# Altium PCB controller_V1.1.PcbDoc (part 1 of 6) (continued)
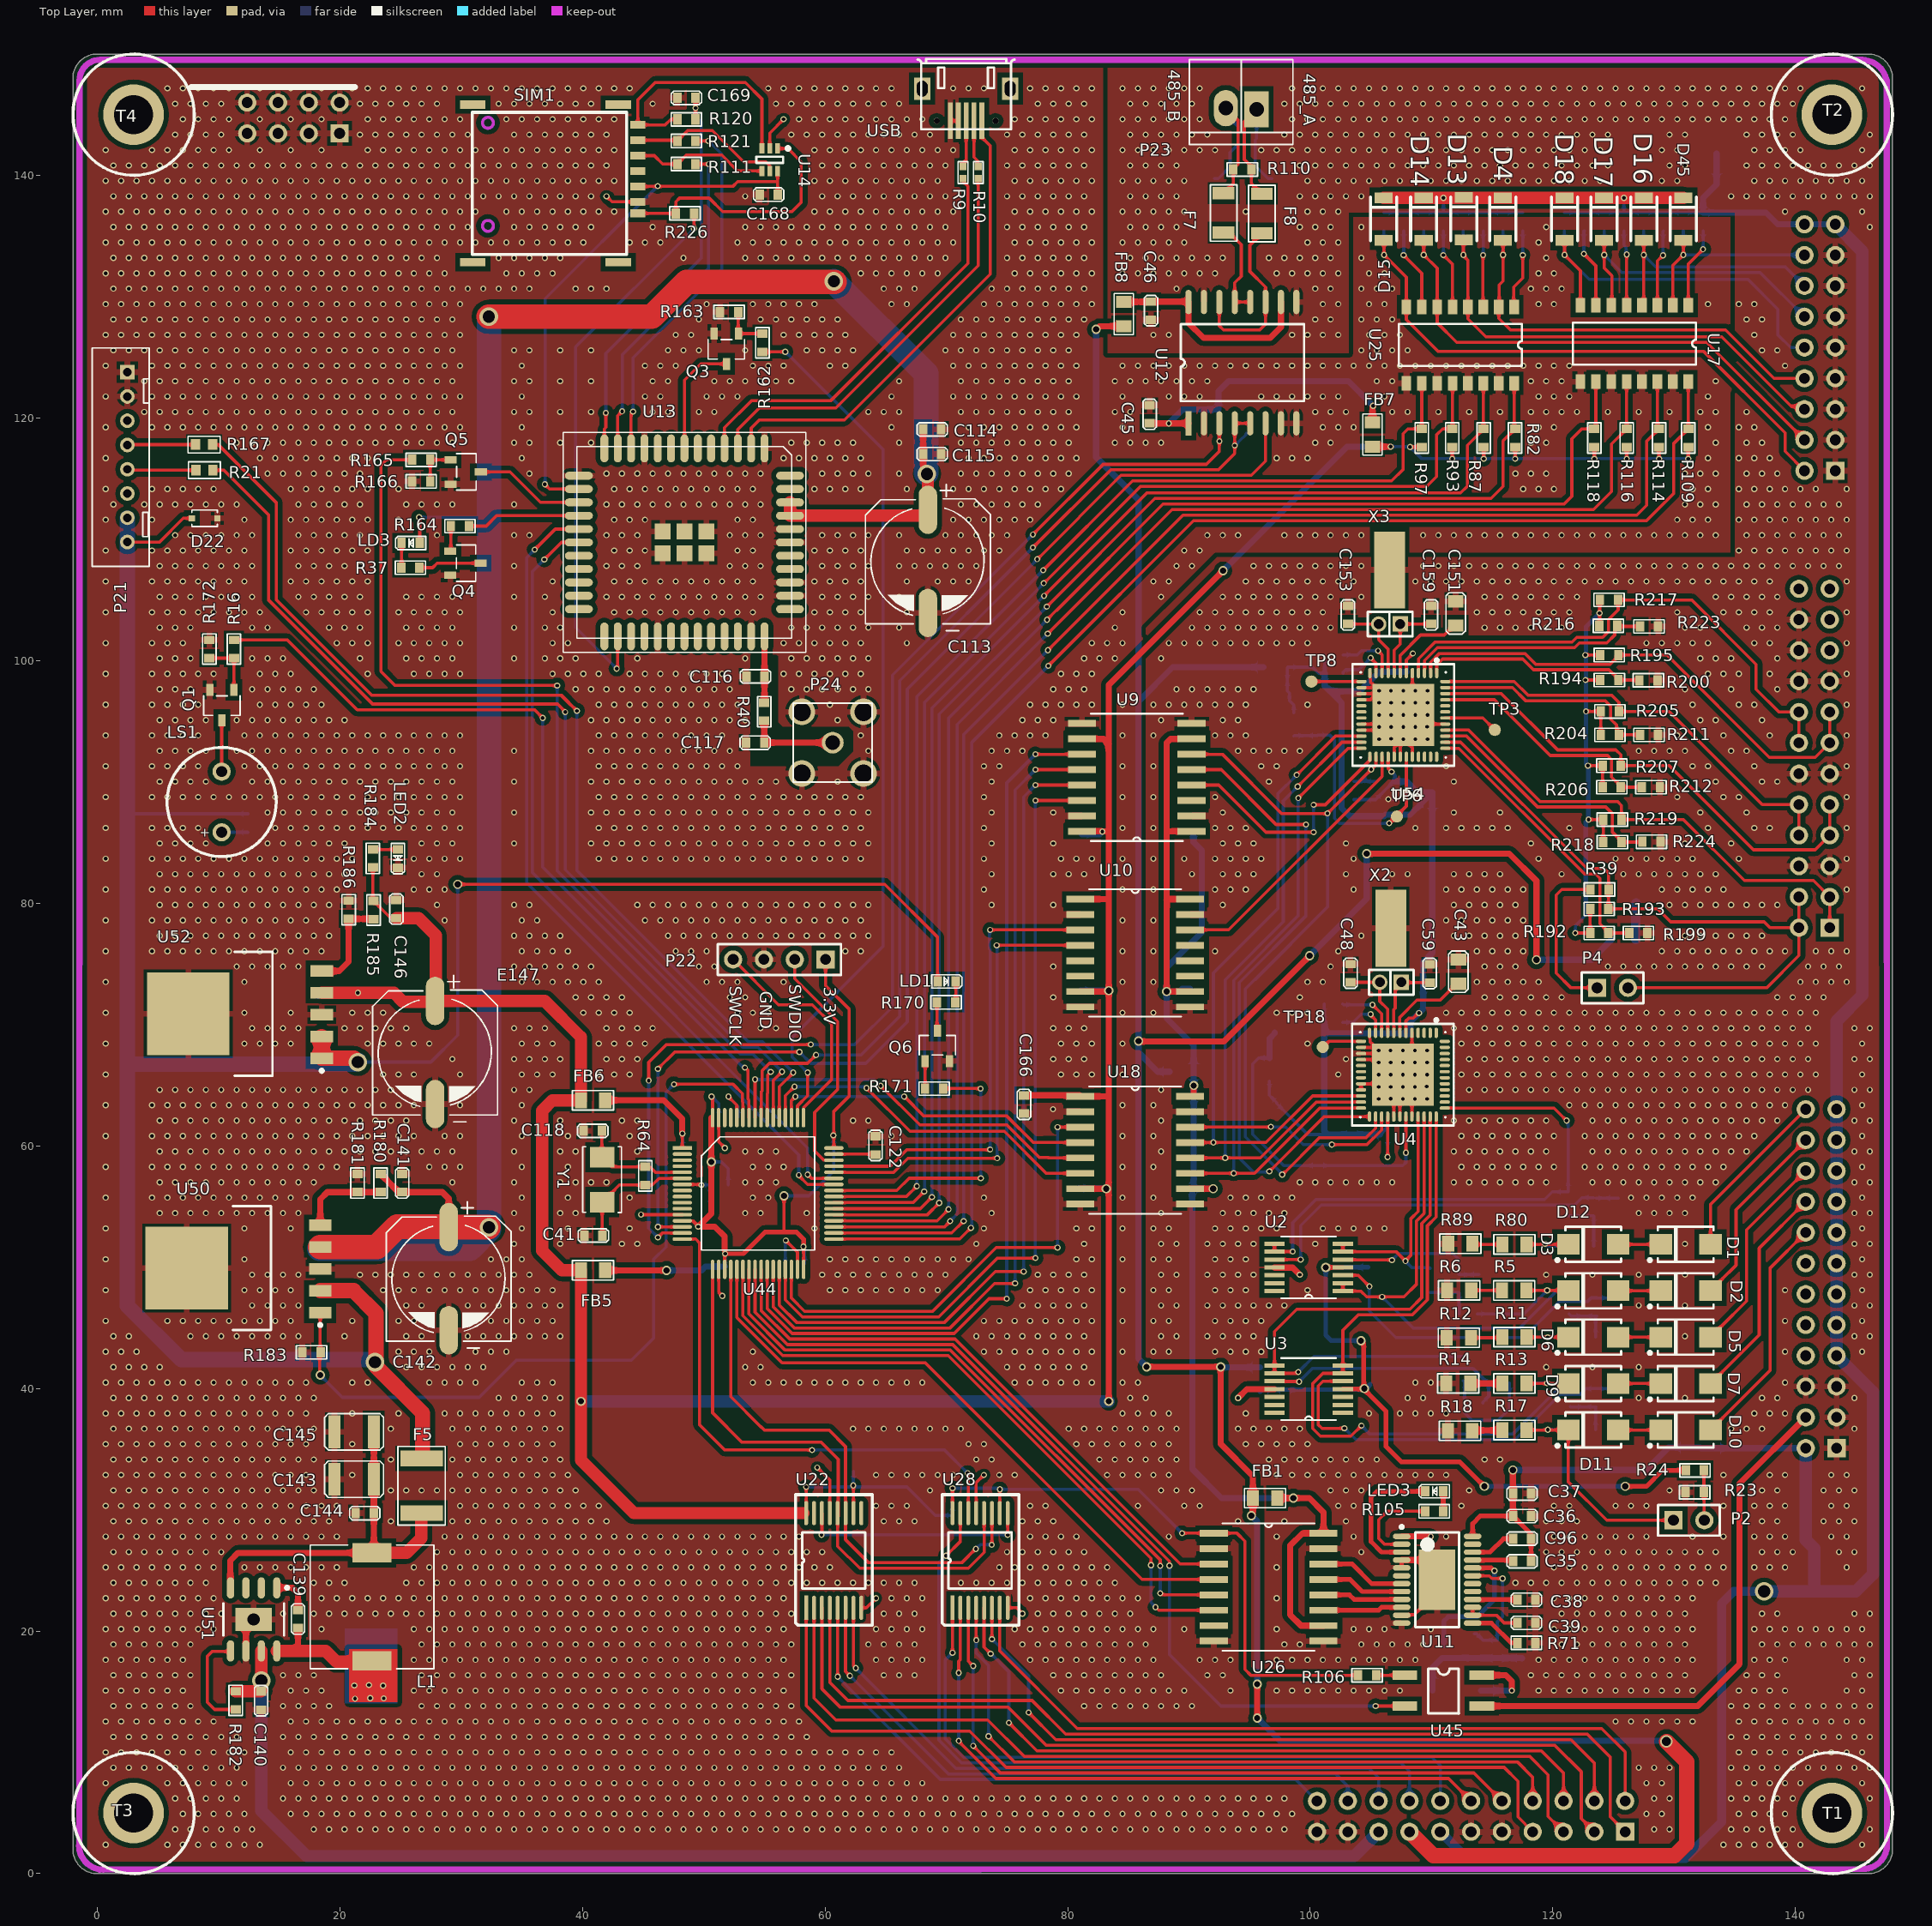
[diagram p0: Top Layer view]
## Components (designator, comment, footprint, x,y, rotation, side; value= is the part's Value field where it differs from the comment) (continued)
R72 "1K" 0603R#1 115.414,19.255 r270 bottom
R73 "5.1K" 0603R#1 101.158,70.18 r0 bottom
R75 "5.1K" 0603R#1 101.194,98.95 r0 bottom
R76 "1K" 0603R#1 95.098,119.202 r90 bottom
R80 "49.9R_1%" 0805R 115.834,51.88 r0 top
R81 "3.3K" 0603R#1 117.526,135.431 r90 bottom
R82 "5.1K" 0603R#1 116.888,117.602 r90 top
R86 "3.3K" 0603R#1 114.253,135.431 r90 bottom
R87 "5.1K" 0603R#1 114.297,117.602 r90 top
R89 "49.9R_1%" 0805R 111.371,51.926 r0 top
R92 "3.3K" 0603R#1 110.98,135.431 r90 bottom
R93 "5.1K" 0603R#1 111.707,117.602 r90 top
R96 "3.3K" 0603R#1 107.707,135.431 r90 bottom
R97 "5.1K" 0603R#1 109.192,117.602 r90 top
R105 "1.5K" 0603R#1 109.469,29.87 r0 top
R106 "510" 0603R#1 105.435,16.358 r180 top
R108 "3.3K" 0603R#1 132.385,135.431 r90 bottom
R109 "5.1K" 0603R#1 131.163,117.602 r90 top
R110 "120" 0603R#1 93.647,140.487 r0 top
R111 "10R/5%" 0603r 47.824,140.928 r0 top value=10R
R113 "3.3K" 0603R#1 129.119,135.431 r90 bottom
R114 "5.1K" 0603R#1 128.75,117.602 r90 top
R115 "3.3K" 0603R#1 125.853,135.431 r90 bottom
R116 "5.1K" 0603R#1 126.083,117.602 r90 top
R117 "3.3K" 0603R#1 122.588,135.431 r90 bottom
R118 "5.1K" 0603R#1 123.416,117.602 r90 top
R120 "10R/5%" 0603r 47.824,144.611 r0 top value=10R
R121 "10R/5%" 0603r 47.824,142.833 r0 top value=10R
R162 "4.7K" 0603R#1 54.839,125.451 r90 top value=1K
R163 "47K" 0603r 51.341,128.736 r0 top value=1K
R164 "1K" 0603r 30.658,111.089 r180 top
R165 "4.7K" 0603R#1 25.959,116.55 r0 top value=1K
R166 "47K" 0603r 25.959,114.772 r0 top value=1K
R167 "1K" 0603R#2 8.814,117.805 r180 top
R168 "10K" 0603R#1 50.518,56.769 r0 bottom
R170 "1K" 0603r 70.732,71.825 r180 top
R171 "1K" 0603r 69.748,64.719 r180 top
R172 "10K" 0603r 9.246,100.203 r90 top
R180 "120K/1%" 0603R#1 23.365,57.685 r270 top
R181 "51K/1%" 0603R#1 21.46,57.685 r270 top
R182 "100K" 0603R#1 11.422,13.538 r90 top
R183 "100K/1%" 0603R#1 16.914,42.977 r0 top
R184 "1K" 0603R#1 22.727,84.447 r270 top
R185 "120K/1%" 0603R#1 22.781,80.188 r270 top
R186 "71.5K/1%" 0603R#1 20.733,80.213 r270 top
R189 "5.1K" 0603R#1 103.607,88.536 r90 bottom
R190 "1.5K" 0603R#1 101.194,100.474 r0 bottom
R192 "1K" 0603R#1 124.569,77.546 r180 top
R193 "1K" 0603R#1 124.569,79.527 r180 top
R194 "1K" 0603R#1 125.401,98.4 r180 top
R195 "1K" 0603R#1 125.4,100.457 r180 top
R199 "1K" 0603R#1 127.795,77.546 r180 top
R200 "1K" 0603R#1 128.627,98.374 r180 top
R204 "1K" 0603R#1 125.451,93.878 r180 top
R205 "1K" 0603R#1 125.451,95.809 r180 top
R206 "1K" 0603R#1 125.603,89.56 r180 top
R207 "1K" 0603R#1 125.603,91.338 r180 top
R211 "1K" 0603R#1 128.676,93.878 r180 top
R212 "1K" 0603R#1 128.829,89.56 r180 top
R216 "1K" 0603R#1 125.321,102.87 r180 top
R217 "1K" 0603R#1 125.378,105.004 r180 top
R218 "1K" 0603R#1 125.654,85.039 r180 top
R219 "1K" 0603R#1 125.654,86.893 r180 top
R223 "1K" 0603R#1 128.678,102.819 r180 top
R224 "1K" 0603R#1 128.88,85.065 r180 top
R226 "10R/5%/NC" 0603r 47.701,136.864 r0 top value=10R
R227 "10K" 0603R#1 92.431,119.202 r90 bottom
SIM1 "nano sim" "Nano SIM" 44.574,136.864 r270 top
T1 "TP" M3 143,5 r0 top
T2 "TP" M3 143,145 r0 top
T3 "TP" M3 3,5 r0 top
T4 "TP" M3 3,145 r0 top
TP1 "TEST_POINT" TPD 100.635,58.375 r270 bottom
TP3 "TEST_POINT" TPD 115.214,94.285 r180 top
TP6 "TEST_POINT" TPD 107.137,87.147 r180 top
TP8 "TEST_POINT" TPD 100.093,98.271 r180 top
TP18 "TEST_POINT" TPD 101.031,68.148 r90 top
U1 "LT1790-2.5" SOT23-6 97.838,66.294 r180 bottom
U2 "TLV2454IPW" TSSOP14 99.87,49.979 r180 top
U3 "TLV2454IPW" TSSOP14 99.87,39.946 r180 top
U4 "ADS1158" S-PVFQN-N48 107.635,65.862 r270 top
U9 "ISO7241C" SOIC16 85.57,90.119 r180 top
U10 "ISO7241C" SOIC16 85.697,76.149 r0 top
U11 "AD5410AREZ-REEL7" AD5410AREZ-REEL7 110.461,24.232 r0 top
U12 "ISO3080" SO-16 89.964,119.558 r90 top
U13 "AIR780EX" AIR780EX 48.412,109.742 r270 top
U14 "SMF05C" sc70-6l 55.446,141.284 r270 top
U17 "TLP291-4" SOP16-T 131.163,129.286 r270 top
U18 "ISO7241C" SOIC16 85.697,59.893 r0 top
U22 "SN74HC595DBR" SSOP16 58.011,23.368 r90 top
U25 "TLP291-4" SOP16-T 116.812,129.159 r270 top
U26 "ADUM1400" SOIC16 96.694,23.876 r0 top
U28 "SN74HC595DBR" SSOP16 70.076,23.368 r90 top
U44 "STM32F405RGT6" LQFP-64 48.232,59.817 r0 top
U45 "AQY210S" sop4 107.794,16.358 r0 top
U50 "MIC29302" TO228P1435X457-6N 18.387,46.253 r180 top
U51 "LM22676MRE-5.0/NOPB" SOP127P600X168_HS-8N 12.901,20.961 r270 top
U52 "MIC29302" TO228P1435X457-6N 18.514,67.208 r180 top
U54 "ADS1158" S-PVFQN-N48 107.671,95.521 r270 top
U56 "LT1790-2.5" SOT23-6 97.445,94.734 r0 bottom
USB "Header 5" USB-MICRO-5P 68.809,147.142 r0 top
X2 "32768" A 107.508,73.482 r180 top
X3 "32768" A 107.417,103.014 r180 top
Y1 "8MHz" CRAY_5032 41.628,59.055 r270 top

## Footprints (in the part's own frame and the unit in brackets; to place one, negate y for a bottom-side part, rotate by r counter-clockwise, add the part's x,y. Pads: shape width x height; smd on the part's side, far side on the other; paste and mask are expansions set on the pad)
2.0x8 [mm]
  rect 1.2x1.2 hole 0.7: 1(0,0)
  round 1.2 hole 0.7: 2(2,0) 3(4,0) 4(6,0) 5(8,0) 6(10,0) 7(12,0) 8(14,0)
  silkscreen extent -2,-2.9 16,1.8
2X2.54MMZ [mm]
  rect 2x3 hole 1.2: 1(0,0)
  oval 2x3 hole 1.2: 2(2.54,-0.1)
  silkscreen extent -3,-4.1 5.54,2.9
0402R [mm]
  rect 0.6x0.6 smd: 1(0,0) 2(1,0)
  silkscreen extent -0.4,-0.4 1.4,0.4
0603C [mm]
  rect 0.7x0.85 smd: 1(0,0) 2(1.5,0)
  silkscreen extent -0.5,-0.55 2,0.55
0603c [mm]
  rect 0.7x0.85 smd: 1(0,0) 2(1.5,0)
  silkscreen extent -0.5,-0.55 2,0.55
0603led [mm]
  rect 0.7x0.85 smd: 1(0,0) 2(1.5,0)
  silkscreen extent -0.5,-0.55 2,0.55
0603LED [mm]
  rect 0.7x0.85 smd: 1(0,0) 2(1.5,0)
  silkscreen extent -0.5,-0.55 2,0.55
0603R#1 [mm]
  rect 0.7x0.85 smd: 1(0,0) 2(1.5,0)
  silkscreen extent -0.5,-0.55 2,0.55
0603R#2 [mm]
  rect 0.762x0.889 smd: 1(-0.699,0) 2(0.699,0)
  silkscreen extent -1.32,-0.69 1.32,0.69
0603r [mm]
  rect 0.7x0.85 smd: 1(0,0) 2(1.5,0)
  silkscreen extent -0.5,-0.55 2,0.55
0805C [mm]
  rect 1x1.3 smd: 1(0,0) 2(2,0)
  silkscreen extent -0.7,-0.8 2.7,0.8
0805CZ [mm]
  rect 1x1.3 smd: 1(0,0) 2(2,0)
  silkscreen extent -0.7,-0.8 2.7,0.8
0805r [mm]
  rect 1x1.3 smd: 1(0,0) 2(2,0)
  silkscreen extent -0.7,-0.8 2.7,0.8
0805R [mm]
  rect 1x1.3 smd: 1(0,0) 2(2,0)
  silkscreen extent -0.7,-0.8 2.7,0.8
1206R [mm]
  rect 1x1.8 smd: 1(0,0) 2(3.25,0)
  silkscreen extent -0.7,-1.1 3.95,1.1
1210C [mm]
  rect 1x2.7 smd: 1(0,0) 2(3.25,0)
  silkscreen extent -0.8,-1.5 4.05,1.5
1812-F [mm]
  rect 1.3x3.5 smd: 1(0,0) 2(4.5,0)
  silkscreen extent -1,-1.95 5.5,1.95
A [mil]
  round 50 hole 32: 1(70,0)
  rect 50x50 hole 32: 2(0,0)
  rect 100x250 smd: 3(34.37,-175)
  silkscreen extent -40,-40 105,40
AD5410AREZ-REEL7 [mm] "SOP, 24-Leads, Body 7.8x4.4mm (max), Pitch 0.65mm, IPC Medium Density"
  oval 1.45x0.45 smd: 1(-2.925,3.575) 2(-2.925,2.925) 3(-2.925,2.275) 4(-2.925,1.625) 5(-2.925,0.975) 6(-2.925,0.325) 7(-2.925,-0.325) 8(-2.925,-0.975) 9(-2.925,-1.625) 10(-2.925,-2.275) 11(-2.925,-2.925) 12(-2.925,-3.575) 13(2.925,-3.575) 14(2.925,-2.925) 15(2.925,-2.275) 16(2.925,-1.625) 17(2.925,-0.975) 18(2.925,-0.325) 19(2.925,0.325) 20(2.925,0.975) 21(2.925,1.625) 22(2.925,2.275) 23(2.925,2.925) 24(2.925,3.575)
  rect 3x5 smd: 25(0,0)
  silkscreen extent -3.05,-3.9 1.8,4.47, body extent -2.2,-3.9 2.2,3.9, height 2.65
AIR780EX [mm]
  oval 2.3x0.65 smd: 1(-7.75,6.6) 2(-7.75,5.5) 3(-7.75,4.4) 4(-7.75,3.3) 5(-7.75,2.2) 6(-7.75,1.1) 7(-7.75,0) 8(-7.75,-1.1) 9(-7.75,-2.2) 10(-7.75,-3.3) 11(-7.75,-4.4) 12(-7.75,-5.5) 13(-7.75,-6.6) 23(7.75,-6.6) 24(7.75,-5.5) 25(7.75,-4.4) 26(7.75,-3.3) 27(7.75,-2.2) 28(7.75,-1.1) 29(7.75,0) 30(7.75,1.1) 31(7.75,2.2) 32(7.75,3.3) 33(7.75,4.4) 34(7.75,5.5) 35(7.75,6.6)
  oval 0.65x2.3 smd: 14(-4.4,-8.7) 15(-3.3,-8.7) 16(-2.2,-8.7) 17(-1.1,-8.7) 18(0,-8.7) 19(1.1,-8.7) 20(2.2,-8.7) 21(3.3,-8.7) 22(4.4,-8.7) 36(4.4,8.7) 37(3.3,8.7) 38(2.2,8.7) 39(1.1,8.7) 40(0,8.7) 41(-1.1,8.7) 42(-2.2,8.7) 43(-3.3,8.7) 44(-4.4,8.7) 95(-5.5,-8.7) 96(5.5,-8.7) 97(5.5,8.7) 98(-5.5,8.7)
  rect 1.3x1.3 smd: 89(-0.9,1.8) 90(-0.9,0) 91(-0.9,-1.8) 92(0.9,-1.8) 93(0.9,0) 94(0.9,1.8)
  silkscreen extent -9.05,-10 9.05,10
BUFFER_0905 [mm]
  round 1.5 hole 0.9: 1(0,0) 2(5,0)
  silkscreen extent -2,-4.5 7,4.5
C3528 [mil]
  rect 60x100 smd: 1(0,0) 2(135,0)
  silkscreen extent -50,-70 185,70
CDRH105 [mm]
  rect 3.2x1.6 smd: 1(5.1,-0.65) 2(5.1,-9.55)
  silkscreen extent 0,-10.2 10.2,0
CRAY_5032 [mm]
  rect 1.7x2 smd: 1(0,0) 2(3.7,0)
  silkscreen extent -0.86,-1.6 4.55,1.6
DO-213AB/LL34/MiniMELF [mm]
  rect 0.9x1.5 smd: 1(1.75,0) 2(-1.75,0)
  silkscreen extent -1.8,-1.08 1.8,1.08
DO-214AC [mm] "Molded Diode, 2-Leads, Body 4.3x2.7mm, IPC Medium Density"
  rect 1.85x1.7 smd: 1(-2.05,0) 2(2.05,0)
  silkscreen extent -2.3,-1.45 3.07,1.45, body extent -2.3,-1.45 2.3,1.45, height 2.44
HDR1X2 [mm] "Connector; Header; 2 Position"
  rect 1.5x1.5 hole 0.9: 1(0,0)
  round 1.5 hole 0.9: 2(2.54,0)
  silkscreen extent -1.27,-1.27 3.81,1.27
HDR1X4 [mm] "Connector; Header; 4 Position"
  rect 1.5x1.5 hole 0.9: 1(0,0)
  round 1.5 hole 0.9: 2(2.54,0) 3(5.08,0) 4(7.62,0)
  silkscreen extent -1.27,-1.27 8.89,1.27
HDR2X4 [mm] "Connector; Header; 4x2 Position"
  rect 1.5x1.5 hole 0.9: 1(0,0)
  round 1.5 hole 0.9: 2(0,2.54) 3(2.54,0) 4(2.54,2.54) 5(5.08,0) 6(5.08,2.54) 7(7.62,0) 8(7.62,2.54)
  silkscreen extent -1.27,-1.27 8.89,3.81
HDR2X11 [mm] "Connector; Header; 11x2 Position"
  rect 1.5x1.5 hole 0.9: 1(0,0)
  round 1.5 hole 0.9: 2(0,2.54) 3(2.54,0) 4(2.54,2.54) 5(5.08,0) 6(5.08,2.54) 7(7.62,0) 8(7.62,2.54) 9(10.16,0) 10(10.16,2.54) 11(12.7,0) 12(12.7,2.54) 13(15.24,0) 14(15.24,2.54) 15(17.78,0) 16(17.78,2.54) 17(20.32,0) 18(20.32,2.54) 19(22.86,0) 20(22.86,2.54) 21(25.4,0) 22(25.4,2.54)
  silkscreen extent -1.27,-1.27 26.67,3.81
KH-SMA-KE-Z [mm]
  round 1.8 hole 1.2: 1(0,0)
  round 2.2 hole 1.5: 2(-2.54,2.54) 3(2.54,2.54) 4(2.54,-2.54) 5(-2.54,-2.54)
  silkscreen extent -3.25,-3.25 3.25,3.25
LQFP-64 [mm]
  rect 1.6x0.3 smd: 1(0,0)
  oval 1.6x0.3 smd: 2(0,-0.5) 3(0,-1) 4(0,-1.5) 5(0,-2) 6(0,-2.5) 7(0,-3) 8(0,-3.5) 9(0,-4) 10(0,-4.5) 11(0,-5) 12(0,-5.5) 13(0,-6) 14(0,-6.5) 15(0,-7) 16(0,-7.5) 33(12.5,-7.5) 34(12.5,-7) 35(12.5,-6.5) 36(12.5,-6) 37(12.5,-5.5) 38(12.5,-5) 39(12.5,-4.5) 40(12.5,-4) 41(12.5,-3.5) 42(12.5,-3) 43(12.5,-2.5) 44(12.5,-2) 45(12.5,-1.5) 46(12.5,-1) 47(12.5,-0.5) 48(12.5,0)
  oval 0.3x1.6 smd: 17(2.5,-10) 18(3,-10) 19(3.5,-10) 20(4,-10) 21(4.5,-10) 22(5,-10) 23(5.5,-10) 24(6,-10) 25(6.5,-10) 26(7,-10) 27(7.5,-10) 28(8,-10) 29(8.5,-10) 30(9,-10) 31(9.5,-10) 32(10,-10) 49(10,2.5) 50(9.5,2.5) 51(9,2.5) 52(8.5,2.5) 53(8,2.5) 54(7.5,2.5) 55(7,2.5) 56(6.5,2.5) 57(6,2.5) 58(5.5,2.5) 59(5,2.5) 60(4.5,2.5) 61(4,2.5) 62(3.5,2.5) 63(3,2.5) 64(2.5,2.5)
  silkscreen extent 1.59,-8.41 10.91,0.91
M3 [mm]
  round 5 hole 3.2 unplated: 1(0,0)
  silkscreen extent -5,-5 5,5
"Nano SIM" [mm]
  rect 0.7x2.1 smd: 0(-8.97,-1.615) 0(-8.97,-13.615) 0(4.02,-1.615) 0(4.02,-13.615)
  rect 0.65x1.23 smd: 1(-2.22,0) 2(-4.76,0) 3(-7.3,0) 5(-0.95,0) 6(-3.49,0) 7(-6.03,0) 8(0,0)
  Keep-Out Layer circle w0.254: c-7.47,-12.365 r0.45
  Keep-Out Layer circle w0.254: c1.03,-12.365 r0.45
  silkscreen extent -8.33,-13.64 3.38,-0.91
S-PVFQN-N48 [mm]
  oval 0.85x0.28 smd mask+0.07: 1(-3.45,2.75) 2(-3.45,2.25) 3(-3.45,1.75) 4(-3.45,1.25) 5(-3.45,0.75) 6(-3.45,0.25) 7(-3.45,-0.25) 8(-3.45,-0.75) 9(-3.45,-1.25) 10(-3.45,-1.75) 11(-3.45,-2.25) 12(-3.45,-2.75) 25(3.45,-2.75) 26(3.45,-2.25) 27(3.45,-1.75) 28(3.45,-1.25) 29(3.45,-0.75) 30(3.45,-0.25) 31(3.45,0.25) 32(3.45,0.75) 33(3.45,1.25) 34(3.45,1.75) 35(3.45,2.25) 36(3.45,2.75)
  oval 0.28x0.85 smd mask+0.07: 13(-2.75,-3.45) 14(-2.25,-3.45) 15(-1.75,-3.45) 16(-1.25,-3.45) 17(-0.75,-3.45) 18(-0.25,-3.45) 19(0.25,-3.45) 20(0.75,-3.45) 21(1.25,-3.45) 22(1.75,-3.45) 23(2.25,-3.45) 24(2.75,-3.45) 37(2.75,3.45) 38(2.25,3.45) 39(1.75,3.45) 40(1.25,3.45) 41(0.75,3.45) 42(0.25,3.45) 43(-0.25,3.45) 44(-0.75,3.45) 45(-1.25,3.45) 46(-1.75,3.45) 47(-2.25,3.45) 48(-2.75,3.45)
  rect 5.1x5.1 smd: 49(0,0)
  silkscreen extent -4.62,-4.19 4.19,4.19, body extent -3.45,-3.45 3.45,3.45, height 0.9
sc70-6l [mm]
  rect 0.85x0.4 smd: 1(-0.925,0.65) 2(-0.925,0) 3(-0.925,-0.65) 4(0.925,-0.65) 5(0.925,0) 6(0.925,0.65)
  silkscreen extent -1.09,-1.1 0.25,1.65
sma [mm]
  rect 2x2 smd: 1(0,0) 2(4,0)
  silkscreen extent -1.3,-1.5 5.3,1.5
SMA [mm]
  rect 2x2 smd: 1(0,0) 2(4,0)
  silkscreen extent -1.3,-1.5 5.3,1.5
SMB [mm]
  rect 2.2x2.8 smd: 1(0,0) 2(4.5,0)
  silkscreen extent -1.3,-1.8 5.8,1.8
SMC [mm]
  rect 2.5x3.3 smd: 1(0,0) 2(6.75,0)
  silkscreen extent -0.35,-3.25 7.15,3.25
smc [mm]
  rect 2.5x3.3 smd: 1(0,0) 2(6.75,0)
  silkscreen extent -0.35,-3.25 7.15,3.25
SO-16 [mm]
  rect 2x0.5 smd: 1(0,0)
  oval 2x0.5 smd: 2(0,-1.27) 3(0,-2.54) 4(0,-3.81) 5(0,-5.08) 6(0,-6.35) 7(0,-7.62) 8(0,-8.89) 9(10,-8.89) 10(10,-7.62) 11(10,-6.35) 12(10,-5.08) 13(10,-3.81) 14(10,-2.54) 15(10,-1.27) 16(10,0)
  silkscreen extent 1.84,-9.53 8.17,0.64
sod323 [mm]
  rect 0.5x0.5 smd: 1(0,0) 2(2.1,0)
  silkscreen extent 0,-0.67 2.1,0.68
SOIC16 [mil]
  rect 91x22 smd: 1(-183,165) 2(-183,115) 3(-183,65) 4(-183,15) 5(-183,-35) 6(-183,-85) 7(-183,-135) 8(-183,-185) 9(173,-185) 10(173,-135) 11(173,-85) 12(173,-35) 13(173,15) 14(173,65) 15(173,115) 16(173,165)
  silkscreen extent -155,-217 145,197
sop4 [mil]
  rect 80x30 smd: 1(0,0) 2(0,-100) 3(250,-100) 4(249,0)
  silkscreen extent 76,-125 176,21
SOP16-T [mm]
  rect 1.2x0.8 smd: 1(0,0) 2(0,-1.27) 3(0,-2.54) 4(0,-3.81) 5(0,-5.08) 6(0,-6.35) 7(0,-7.62) 8(0,-8.89) 9(6.3,-8.89) 10(6.3,-7.62) 11(6.3,-6.35) 12(6.3,-5.08) 13(6.3,-3.81) 14(6.3,-2.54) 15(6.3,-1.27) 16(6.3,0)
  silkscreen extent 1.41,-9.53 4.89,0.64
SOP127P600X168_HS-8N [mm] "SOP, 8-Leads, Body 5.0x4.0mm (max), Pitch 1.27mm, IPC Medium Density"
  oval 1.75x0.6 smd: 1(-2.6,1.905) 2(-2.6,0.635) 3(-2.6,-0.635) 4(-2.6,-1.905) 5(2.6,-1.905) 6(2.6,-0.635) 7(2.6,0.635) 8(2.6,1.905)
  rect 1.9x3 smd: 9(0,0)
  silkscreen extent -2.72,-2.5 1.33,2.88, body extent -2,-2.5 2,2.5, height 1.68
SOT23-3 [mm]
  rect 1x0.6 smd: 1(0,0) 2(0,2) 3(-2.5,1)
  silkscreen extent -2.1,-0.5 -0.5,2.5
SOT23-6 [mm]
  rect 1.1x0.5 smd: 1(-1.2,0.95)
  oval 1.1x0.5 smd: 2(-1.2,0) 3(-1.2,-0.95) 4(1.2,-0.95) 5(1.2,0) 6(1.2,0.95)
  silkscreen extent -1.32,-1.5 0.25,1.92, body extent -0.87,-1.5 0.88,1.5, height 1.45
SSOP16 [mm] "SOP, 16-Leads, Body 5.1x4.5mm (max), Pitch 0.65mm, IPC Medium Density"
  rect 2x0.32 smd: 1(-1.448,-0.432)
  oval 2x0.32 smd: 2(-1.448,-1.082) 3(-1.448,-1.732) 4(-1.448,-2.382) 5(-1.448,-3.032) 6(-1.448,-3.682) 7(-1.448,-4.332) 8(-1.448,-4.982) 9(6.352,-4.982) 10(6.352,-4.332) 11(6.352,-3.682) 12(6.352,-3.032) 13(6.352,-2.382) 14(6.352,-1.732) 15(6.352,-1.082) 16(6.352,-0.432)
  silkscreen extent -2.88,-5.9 7.87,0.42
TO228P1435X457-6N [mm] "D2-PAK, 6-Pads, Body 8.6x10.2mm (max), IPC Medium Density"
  rect 1.85x0.95 smd: 1(0,0) 2(0,-1.8) 3(0,-3.6) 4(0,-5.4) 5(0,-7.2)
  rect 6.8x6.8 smd: 6(11,-3.671)
  silkscreen extent -0.13,-8.77 7.2,1.43, body extent 4.2,-8.77 12.84,1.43, height 4.57
TPD [mm]
  round 1 smd: 1(0,0)
TSSOP14 [mil]
  rect 66x14 smd: 1(-111,76.77) 2(-111,51.18) 3(-111,25.59) 4(-111,0) 5(-111,-25.59) 6(-111,-51.18) 7(-111,-76.77) 8(111,-76.77) 9(111,-51.18) 10(111,-25.59) 11(111,0) 12(111,25.59) 13(111,51.18) 14(111,76.77)
  silkscreen extent -89,-101 89,101
USB-MICRO-5P [mm]
  round 0.5 hole 0.5 unplated: 0(0.4,-2.65) 0(5.25,-2.65)
  rect 0.4x3 smd: 1(4.125,-2.65) 2(3.475,-2.65) 3(2.825,-2.65) 4(2.175,-2.65) 5(1.525,-2.65)
  rect 1.35x1.85 hole 0.9 slot 1.3 at 90 deg: 6(6.45,0) 7(-0.8,0)
  silkscreen extent -1.17,-3.35 6.83,2.45
XH2.54_2X9 [mm]
  rect 1.5x1.5 hole 0.9: 1(0,0)
  round 1.5 hole 0.9: 2(0,-2.54) 3(2.54,0) 4(2.54,-2.54) 5(5.08,0) 6(5.08,-2.54) 7(7.62,0) 8(7.62,-2.54) 9(10.16,0) 10(10.16,-2.54) 11(12.7,0) 12(12.7,-2.54) 13(15.24,0) 14(15.24,-2.54) 15(17.78,0) 16(17.78,-2.54) 17(20.32,0) 18(20.32,-2.54)
  silkscreen extent -1.75,-6.63 22.07,3.68
XH2.54_2X12 [mm]
  rect 1.5x1.5 hole 0.9: 1(0,0)
  round 1.5 hole 0.9: 2(0,-2.54) 3(2.54,0) 4(2.54,-2.54) 5(5.08,0) 6(5.08,-2.54) 7(7.62,0) 8(7.62,-2.54) 9(10.16,0) 10(10.16,-2.54) 11(12.7,0) 12(12.7,-2.54) 13(15.24,0) 14(15.24,-2.54) 15(17.78,0) 16(17.78,-2.54) 17(20.32,0) 18(20.32,-2.54) 19(22.86,0) 20(22.86,-2.54) 21(25.4,0) 22(25.4,-2.54) 23(27.94,0) 24(27.94,-2.54)
  silkscreen extent -1.75,-6.62 29.69,3.68
XH2.54_2x12 [mm]
  rect 1.5x1.5 hole 0.9: 1(0,0)
  round 1.5 hole 0.9: 2(0,-2.54) 3(2.54,0) 4(2.54,-2.54) 5(5.08,0) 6(5.08,-2.54) 7(7.62,0) 8(7.62,-2.54) 9(10.16,0) 10(10.16,-2.54) 11(12.7,0) 12(12.7,-2.54) 13(15.24,0) 14(15.24,-2.54) 15(17.78,0) 16(17.78,-2.54) 17(20.32,0) 18(20.32,-2.54) 19(22.86,0) 20(22.86,-2.54) 21(25.4,0) 22(25.4,-2.54) 23(27.94,0) 24(27.94,-2.54)
  silkscreen extent -1.75,-6.62 29.69,3.68
Φ10×10 [mm]
  oval 1.524x4 smd: 1(0,4.25) 2(0,-4.25)
  silkscreen extent -5.15,-5.71 5.15,6.35

## Part data
C1 C35 C36 C37 C38 C39 C40 C41 C96 C112 C118 C139 C140 C143 C144 C145 C156: library part CAP, "Capacitor"
C2 C3 C4 C5 C6 C7 C8 C13 C17 C21 C25 C43 C47 C48 C49 C56 C57 C58 C59 C63 C65 C73 C76 C78 C79 C80 C84 C85 C86 C108 C114 C115 C116 C117 C119 C120 C121 C122 C123 C124 C125 C126 C127 C128 C133 C138 C141 C146 C147 C151 C153 C157 C159 C160 C161 C163 C164 C165 C166 C167 C168 C169: library part Cap, "Capacitor", LatestRevisionDate=17-Jul-2002, LatestRevisionNote="Re-released for DXP Platform.", PackageReference=RAD-0.3, Published=8-Jun-2000, Publisher="Altium Limited"
  C2 C3 C4 C5 C6 C7 C8 C13 C17 C21 C25 C43 C47 C48 C49 C56 C57 C58 C59 C63 C65 C73 C76 C78 C79 C80 C84 C85 C86 C108 C114 C115 C116 C117 C119 C120 C121 C122 C123 C124 C125 C126 C127 C128 C133 C138 C141 C146 C147 C151 C153 C157 C159 C160 C161 C163 C164 C165 C166 C167: PackageDescription="Radial Cap, Thru-Hole; 2 Leads; 0.3 in Pin Spacing"
C45 C46: library part C, "C"
C113 C142 E147: library part "Cap Pol1", "Polarized Capacitor (Radial)", LatestRevisionDate=17-Jul-2002, LatestRevisionNote="Re-released for DXP Platform.", PackageReference=RB7.6-15, Published=8-Jun-2000, Publisher="Altium Limited"
D1 D2 D3 D5 D6 D7 D9 D10 D11 D12 D72: library part Diode, "Default Diode", Code_JEDEC=DO-214-AB, LatestRevisionDate=17-Jul-2002, LatestRevisionNote="Re-released for DXP Platform.", PackageReference=SMC, PackageVersion=Sep-1996, Published=8-Jun-2000, Publisher="Altium Limited"
D4 D13 D14 D15 D16 D17 D18 D45: "VISHAY,LL4148,圆柱体MiniMELF100V/2A,ROHS", 制造商=VISHAY, 名称=快速开关二极管, 版本=V1.00, 物料编号=APLLY
D8: library part "Diode 1N4001", "1 Amp General Purpose Rectifier", Code_JEDEC=DO-204-AL, ComponentLink1Description="Manufacturer Link", ComponentLink1URL=http://www.fairchildsemi.com/, ComponentLink2Description=Datasheet, ComponentLink2URL=http://www.fairchildsemi.com/ds/1N%2F1N4001.pdf, DatasheetVersion=1998, LatestRevisionDate=17-Jul-2002, LatestRevisionNote="Re-released for DXP Platform.", PackageReference=DO-41, PackageVersion=Aug-1999, Published=8-Jun-2000, Publisher="Altium Limited"
D22: library part "D Zener", "Zener Diode", LatestRevisionDate=17-Jul-2002, LatestRevisionNote="Re-released for DXP Platform.", PackageReference=DIODE-0.7, Published=8-Jun-2000, Publisher="Altium Limited"
D52 D75 D76: library part "D Zener", "SMBJ36CA", LatestRevisionDate=17-Jul-2002, LatestRevisionNote="Re-released for DXP Platform.", PackageReference=DIODE-0.7, Published=8-Jun-2000, Publisher="Altium Limited"
D69 D70 D71 D78 D79: library part "DIODE S", "Schottky Diode"
E13 E14: library part ELECTRO1, "Electrolytic Capacitor"
F2 F5 F7 F8: library part "Fuse 1", "Fuse", LatestRevisionDate=17-Jul-2002, LatestRevisionNote="Re-released for DXP Platform.", PackageReference=PIN-W2/E2.8, Published=8-Jun-2000, Publisher="Altium Limited"
  F2 F5: PackageDescription="Thru-Hole; 2 Leads"
FB1 FB2 FB3 FB4 FB5 FB6 FB7 FB8: library part FB, FB=BLM18BD102SN1(muRata), Part Field 1="磁珠/0603/1K ohm/100MHz", Text Field1=FB
L1: library part INDUCTOR
LED2: library part LED
LS1: "Loudspeaker", LatestRevisionDate=17-Jul-2002, LatestRevisionNote="Re-released for DXP Platform.", PackageReference=PIN2, Published=24-Mar-1999, Publisher="Altium Limited"
P1 P8: "Header, 12-Pin, Dual row", LatestRevisionDate=17-Jul-2002, LatestRevisionNote="Re-released for DXP Platform.", Publisher="Altium Limited"
P2 P4 P23: "Header, 2-Pin", LatestRevisionDate=17-Jul-2002, LatestRevisionNote="Re-released for DXP Platform.", Publisher="Altium Limited"
P3: "Header, 9-Pin, Dual row", LatestRevisionDate=17-Jul-2002, LatestRevisionNote="Re-released for DXP Platform.", Publisher="Altium Limited"
P5: "Header, 11-Pin, Dual row", LatestRevisionDate=17-Jul-2002, LatestRevisionNote="Re-released for DXP Platform.", Publisher="Altium Limited"
P7: "Header, 4-Pin, Dual row", LatestRevisionDate=17-Jul-2002, LatestRevisionNote="Re-released for DXP Platform.", Publisher="Altium Limited"
P21: "Header, 8-Pin", LatestRevisionDate=17-Jul-2002, LatestRevisionNote="Re-released for DXP Platform.", Publisher="Altium Limited"
P22: "Header, 4-Pin", LatestRevisionDate=17-Jul-2002, LatestRevisionNote="Re-released for DXP Platform.", Publisher="Altium Limited"
P24 USB: "Header, 5-Pin", LatestRevisionDate=17-Jul-2002, LatestRevisionNote="Re-released for DXP Platform.", Publisher="Altium Limited"
Q1 Q3 Q4 Q5 Q6 Q11: library part NPN_MMBT3904
R1 R2 R3 R4 R5 R6 R7 R8 R11 R12 R13 R14 R17 R18 R19 R20 R21 R22 R23 R24 R29 R30 R44 R45 R71 R72 R73 R75 R80 R81 R82 R86 R87 R89 R92 R93 R96 R97 R105 R108 R109 R113 R114 R115 R116 R117 R118 R167 R168 R189 R190: library part Res0805M
R9 R10: library part Resistor, "Resistor SMD - IEC symbol version", LatestRevisionDate="27-Jul-20  -  Semtech"
R15 R16 R37 R40 R64 R162 R163 R164 R165 R166 R170 R171 R172: library part RES0603, ID=233, 制造商=三星/YAGEO, 参数值=1.00E+04, 器件等级=——, 工作温度="–55°C to 155°C", 序号=109, 物料主编码(PN)=150000040, 物料名称=贴片电阻, 物料描述=RES,贴片电阻,0603,10k,±1%,1/10W,1.6X0.8X0.45mm,RC1608F103CS/RC0603FR-0710KL, 物料类型=表贴电阻, 精度=±1%, 规格型号(完整型号)=RC1608F103CS/RC0603FR-0710KL
R39 R76 R110 R180 R181 R183 R184 R185 R186 R192 R193 R194 R195 R199 R200 R204 R205 R206 R207 R211 R212 R216 R217 R218 R219 R223 R224 R227: library part R, "R"
R106: library part RES2
R111 R120 R121 R226: library part Res2, "Resistor", LatestRevisionDate=17-Jul-2002, LatestRevisionNote="Re-released for DXP Platform.", PackageReference=AXIAL-0.4, Published=8-Jun-2000, Publisher="Altium Limited"
R182: library part Res1, "Resistor", LatestRevisionDate=17-Jul-2002, LatestRevisionNote="Re-released for DXP Platform.", PackageReference=AXIAL-0.3, Published=8-Jun-2000, Publisher="Altium Limited"
U1 U56: "2.5V Micropower SOT-23  Low Dropout Reference"
U2 U3: library part MAX908EPD, "Quad High-speed, Ultra Low-power, Single-Supply TTL comparator", Code_JEDEC=MS-001-AC, ComponentLink1Description="Manufacturer Link", ComponentLink1URL=http://www.maxim-ic.com/, ComponentLink2Description=Datasheet, ComponentLink2URL=http://pdfserv.maxim-ic.com/en/ds/MAX907-MAX909.pdf, DatasheetVersion=Jul-1994, LatestRevisionDate=29-May-2009, LatestRevisionNote="Component Body Added.", PackageDescription="DIP, 14-Pin, Row Spacing 7.62 mm, Pitch 2.54 mm", PackageReference=PD14, PackageVersion="RevB, 21-0043", Published=16-Jan-2001, Publisher="Altium Limited"
U4 U54: "16-Channel, 16-Bit Analog-to-Digital Converter"
U17 U25: library part TLP281-4
U22 U28: library part 74HC595
U26: library part ISO7241C
U44: "ARM Cortex-M4 32-bit MCU+FPU, 210 DMIPS, 1024 kB Flash, 192 kB Internal RAM, 51 I/Os, 64-pin LQFP, -40 to 85 degC, Tray", I/Os (High Current)=51, Manufacturer=STMicroelectronics, Operating Frequency(F) (Processor speed) (MHz)=168, Supplier Part Number 1=497-11767-ND, Supply Voltage(Vcc) max (V)=3.6, Supply Voltage(Vcc) min (V)=1.8, ComponentLink1Description="Manufacturer URL", ComponentLink1URL=http://www.st.com/web/en/home.html, ComponentLink2Description=Datasheet, ComponentLink2URL=http://www.st.com/st-web-ui/static/active/en/resource/technical/document/datasheet/DM00037051.pdf, ComponentLink3Description="Package Specification", ComponentLink3URL=http://www.st.com/st-web-ui/static/active/en/resource/technical/document/datasheet/DM00037051.pdf, Core="ARM Cortex-M4", D/A Converter=2x12-bit, DatasheetVersion="Rev. 4", FLASH Size (Prog) (kB)=1024, Internal RAM Size (kB)=192, Mounting Technology="Surface Mount", PackageDescription="64-Pin Low Profile Quad Flat Package, 10 x 10 mm Body, 0.5 mm Pitch", PackageReference=LQFP64, PackageVersion="Rev. 4, 06/2013", Packing=Tray, PartNumber=STM32F405RGT6, Supplier 1=Digi-Key, Supplier 2=Farnell, Supplier 3=Newark, Supplier 4=Mouser, Supplier Part Number 2=2064363, Supplier Part Number 3=73T2329, Supplier Part Number 4=511-STM32F405RGT6
U45: library part Optoisolator1, "4-Pin Phototransistor Optocoupler", DatasheetVersion=Nov-2003, LatestRevisionDate=04-Mar-2005, LatestRevisionNote="Sch pins 3 & 4 Swapped.", PackageReference=DIP-4, Published=24-Mar-1999, Publisher="Altium Limited"
U51: library part LM22676MR-5.0
X2 X3: library part XTAL, "Crystal Oscillator", LatestRevisionDate=17-Jul-2002, LatestRevisionNote="Re-released for DXP Platform.", PackageReference=R38, Published=8-Jun-2000, Publisher="Altium Limited"
Y1: library part CRYSTAL, "HC49S-8MHz"
LD1 LD3: ID=6, 制造商=Everlight, 器件等级=——, 工作温度="–40°C to 85°C", 序号=33, 物料主编码(PN)=100000032, 物料名称=绿色LED, 物料描述=Other,LED,绿色,0603,1.6X0.8X0.4mm,19-217/G7C-AN1P2/3T, 物料类型=特殊二极管, 规格型号(完整型号)=19-217/G7C-AN1P2/3T
U13: PCB DECAL=AIR780EX

## Via types
v1: diameter 0.508, hole 0.305, Top Layer to Bottom Layer, tented both sides, 5878 vias
v2: diameter 0.6, hole 0.3, Top Layer to Bottom Layer, 50 vias
v3: diameter 0.762, hole 0.508, Top Layer to Bottom Layer, tented both sides, 30 vias
v4: diameter 1.524, hole 1.016, Top Layer to Bottom Layer, tented both sides, 8 vias
v5: diameter 1.5, hole 1, Top Layer to Bottom Layer, 1 vias
v6: diameter 1.016, hole 0.762, Top Layer to Bottom Layer, tented both sides, 1 vias

## Nets (pads, with @x,y where several pads share a name; then routed paths per layer and width w, separated by ;. In a path a pad name is that pad's centre, name@x,y a point inside that pad or via, vN(x,y) a via of type N, cw(c..) or ccw(c..) an arc to the next point about the centre after c; other vN are vias at no path point)
2.5VREFM: C1.1 TP1.1 U1.6 U4.31 | length 27.3
  Top Layer w0.254: U4.31@107.885,62.412 v1(107.885,59.425) v1@107.899,59.411
  Bottom Layer w0.254: U1.6@96.638,67.244 95.746,67.244 95.239,66.737 95.239,60.946 97.815,58.369 99.492,58.369 ; 99.492,58.375 107.625,58.375 107.885,58.634 v1(107.885,59.425)
  Bottom Layer w0.508: U1.6@96.638,67.244 96.638,68.829 97.076,69.267 C1.1@97.076,69.342
2.5VREFM2: C156.1 TP6.1 U54.31 U56.6 | length 20.8
  Top Layer w0.254: v1(106.502,86.589) 107.921,88.007 U54.31@107.921,92.071
  Bottom Layer w0.254: U56.6@98.645,93.784 98.676,93.814 100.59,93.814 C156.1@100.62,93.845 101.633,93.845 102.006,93.472 102.006,86.995 102.413,86.589 v1(106.502,86.589)
3.3V_ISO: C57.1 C73.1 C146.2 C147.2 C161.2 C163.2 C166.2 D71.2 E147.1 FB5.1 FB6.1 FB7.2 R82.1 R87.1 R93.1 R97.1 R106.2 R109.1 R114.1 R116.1 R118.1 R184.2 R185.1 U9.10 U9.16 U10.1 U10.7 U18.1 U18.7 U22.10 U22.16 U26.1 U28.10 U28.16 U52.4 | length 361.7
  Top Layer w0.254: R184.2@22.727,82.947 22.727,80.295 R185.1@22.809,80.213 ; R185.1@22.781,80.188 24.204,78.765 C146.2@24.587,78.765 ; U22.16@58.443,29.72 v1@58.443,31.854 ; U22.10@62.343,29.72 v1@62.343,31.99 ; U28.16@70.508,29.72 v1@70.508,31.773 ; U28.10@74.408,29.72 v1(74.408,31.688) ; v1(89.433,28.067) U26.1@92.046,28.067 93.955,28.067 94.615,27.407 94.615,16.839 95.097,16.358 R106.2@103.935,16.358 ; v1(108.229,117.602) R97.1@109.192,117.602 ; v1(111.707,116.639) R93.1@111.707,117.602 ; v1(114.297,116.639) R87.1@114.297,117.602 ; v1(116.888,116.639) R82.1@116.888,117.602 ; v1(123.416,116.639) R118.1@123.416,117.602 ; v1(126.083,116.639) R116.1@126.083,117.602 ; v1(128.75,116.639) R114.1@128.75,117.602 ; v1(131.163,116.639) R109.1@131.163,117.602
  Top Layer w0.508: C166.2@76.401,64.162 U18.1@80.971,64.162 ; U18.7@81.049,56.464 v3(83.185,56.464) ; U18.1@81.049,64.084 83.21,64.084 ; U10.7@81.049,72.72 v3@83.312,72.72 ; U10.1@81.049,80.34 83.236,80.34 ; U9.16@81.176,85.928 83.337,85.928 ; U9.10@81.176,93.548 82.956,93.548 83.388,93.116 ; v3(83.388,38.938) v3(83.388,72.796) 83.388,93.116 ; v3(92.812,107.417) 83.388,97.993 83.388,93.116 ; FB7.2@105.131,117.634 v1(106.636,117.634)
  Top Layer w1.016: U52.4@18.514,72.608 24.47,72.608 25.197,71.882 E147.1@27.483,71.882 ; C146.2@24.661,78.764 26.494,78.764 27.915,77.343 E147.1@27.915,73.355 ; E147.1@27.861,71.941 36.898,71.941 39.878,68.961 FB6.1@39.878,63.754 37.541,63.754 36.678,62.89 36.678,51.359 38.303,49.733 FB5.1@39.878,49.733 v3(39.878,38.938) 39.878,34.087 44.245,29.72 58.222,29.72
  Bottom Layer w0.254: v1(58.445,31.877) 66.751,31.877 69.088,29.54 C73.1@70.485,29.54 70.485,31.775 v1@70.51,31.801 ; v1@62.332,32.08 C57.1@62.332,33.172 ; v1(70.51,31.775) 74.32,31.775 v1(74.408,31.688) 85.812,31.688 v1(89.433,28.067) ; v1(106.636,117.634) 108.197,117.634 v1(108.229,117.602) 109.192,116.639 v1(111.707,116.639) v1(114.297,116.639) v1(116.888,116.639) v1(123.416,116.639) v1(126.083,116.639) v1(128.75,116.639) v1(131.163,116.639)
  Bottom Layer w0.508: C161.2@80.899,56.491 v3@83.158,56.491 ; C147.2@81.051,72.798 v3@83.234,72.798 ; C163.2@81.176,85.698 82.65,85.698 v1(82.855,85.903) ; v3(92.812,107.417) 103.029,117.634 v1(106.636,117.634)
  Bottom Layer w1.016: D71.2@18.224,72.593 21.477,72.593 v1(21.492,72.608) ; v3(39.878,38.938) v3(83.388,38.938)
  other v1: 62.332,32.004
3.3V_ISO_AD: D72.2 R192.2 R193.2 R194.2 R195.2 R204.2 R205.2 R206.2 R207.2 R216.2 R217.2 R218.2 R219.2 | length 44.5
  Top Layer w0.254: v1(121.851,77.546) R192.2@123.069,77.546 R193.2@123.069,79.527 ; v1(122.682,100.457) R195.2@123.9,100.457 ; v1(122.683,98.4) R194.2@123.901,98.4 ; v1(122.733,95.809) R205.2@123.951,95.809 R204.2@123.951,93.878 ; v1(122.885,91.338) R207.2@124.103,91.338 R206.2@124.103,89.56 ; v1(122.936,86.893) R219.2@124.154,86.893 R218.2@124.154,85.039 ; R216.2@123.821,102.87 123.85,102.899 v1(123.85,103.911) 123.85,104.975 R217.2@123.878,105.004
  Bottom Layer w0.254: v1(121.851,77.546) 121.851,78.138 122.722,79.009 D72.2@122.722,79.985 ; v1@122.682,95.86 v1(122.733,95.809) ; v1@122.885,86.944 v1(122.936,86.893)
  Bottom Layer w0.381: D72.2@122.722,79.985 122.722,86.68 v1(122.936,86.893) 122.936,91.288 v1(122.885,91.338) 122.733,91.491 v1(122.733,95.809) 122.733,102.795 v1(123.85,103.911)
3.3V_MCU: C123.2 C124.2 C125.2 C126.2 C127.2 FB5.2 P22.1 R168.2 U44.13 U44.19 U44.32 U44.48 U44.64 | length 73.9
  Top Layer w0.254: FB5.2@41.878,49.733 FB5.2@41.962,49.817 ; U44.13@48.232,53.817 49.104,53.817 v1@49.568,53.353 ; v1@50.673,64.059 50.732,64 U44.64@50.732,62.317 ; U44.19@51.723,49.826 U44.19@51.732,49.817 v1@51.732,51.087 ; 56.617,53.01 v3(56.617,55.88) ; U44.32@58.232,49.817 v1@58.232,51.653 ; P22.1@60.046,75.362 60.046,73.203 62.001,71.247 62.001,64.11 60.732,62.84 v1@60.732,60.858 ; v1@60.681,60.909 v1@60.732,60.858 ; U44.48@60.732,59.817 v1@60.732,60.858
  Top Layer w0.381: 51.714,51.41 51.765,51.359 v1(51.765,51.105) 53.271,51.105 55.049,52.883 57.648,52.883 58.232,52.299 v1@58.232,51.653
  Top Layer w0.508: FB5.2@41.878,49.733 v3(46.939,49.733) ; v1@49.568,53.353 50.625,54.409 U44.64@50.625,62.317 ; v1@49.581,53.34 50.91,53.34 51.714,52.536 51.714,51.41
  Bottom Layer w0.254: v1@49.606,53.315 C125.2@50.466,53.315 ; v3(50.622,58.674) 51.46,58.674 52.018,58.116 R168.2@52.018,56.769 ; v1@50.673,64.059 51.255,63.477 C127.2@51.255,62.409 ; C123.2@51.74,50.039 v1@51.74,51.105 ; v3(56.617,55.88) 58.674,55.88 60.705,57.911 C126.2@60.705,59.868 v1@60.705,60.882 ; v1@58.217,51.714 58.318,51.613 C124.2@58.318,50.268
  Bottom Layer w0.508: v3(46.939,49.733) 49.835,49.733 50.141,50.039 C123.2@51.74,50.039
  other v1: 58.217,51.689 49.555,53.34 60.681,60.858 50.648,64.059
3.3V_MCU_AD: C128.2 FB6.2 U44.1 | length 10.7
  Top Layer w0.254: U44.1@48.232,59.817 v1@48.232,61.034
  Top Layer w0.508: FB6.2@41.878,63.754 46.711,63.754 48.232,62.233 v1@48.232,61.034
  Bottom Layer w0.254: v1@48.235,61.062 48.256,61.04 C128.2@48.256,59.817
  other v1: 48.235,61.011
3.8V_EN: R183.2 U44.59 U50.1 | length 65
  Top Layer w0.254: U50.1@18.387,46.253 18.387,42.974 18.339,42.926 18.339,41.148 v3(18.39,41.097) ; v1@47.6,65.075 52.426,65.075 53.191,64.31 53.191,63.649 53.232,63.607 U44.59@53.232,62.317
  Bottom Layer w0.254: v3(18.39,41.097) 20.218,39.268 31.496,39.268 34.544,42.316 44.044,42.316 45.872,44.145 45.872,50.648 46.888,51.664 46.888,64.414 v1(47.549,65.075)
5V_F: C47.2 C49.2 C58.2 FB4.2 R24.2 U2.4 U3.4 | length 60.8
  Top Layer w0.381: v3(101.278,49.979) U2.4@102.69,49.979 ; U3.4@102.69,39.946 v3@104.412,39.946 ; v3(104.184,43.935) 104.412,43.707 v3@104.412,39.946 ; v3(114.351,31.928) 112.319,33.96 107.493,33.96 106.248,35.204 106.248,38.11 v3@104.412,39.946 ; v3(125.959,31.928) 127.711,31.928 129.032,33.249 R24.2@130.962,33.249
  Bottom Layer w0.381: FB4.2@95.86,39.732 96.032,39.905 104.521,39.905 C47.2@104.951,40.335 ; v3@104.191,43.942 101.727,43.942 101.278,44.391 v3(101.278,49.979) 101.285,49.986 C49.2@104.75,49.986 ; v3(114.351,31.928) v3(125.959,31.928)
  other v3: 104.451,39.985